# Altium PCB MCH_MAIN.PCBDOC (part 7 of 14)
Units mil, origin at the board's own origin, x right, y up, seen from the top; angles counter-clockwise.
Board outline 7110.66 x 2894.12 mil, 6 copper layers (Top Layer, Power, MidLayer1, MidLayer4, GND, Bottom Layer), stack 61.549 mil thick; 630 components, 1085 nets, 3940 pads, 2676 vias.
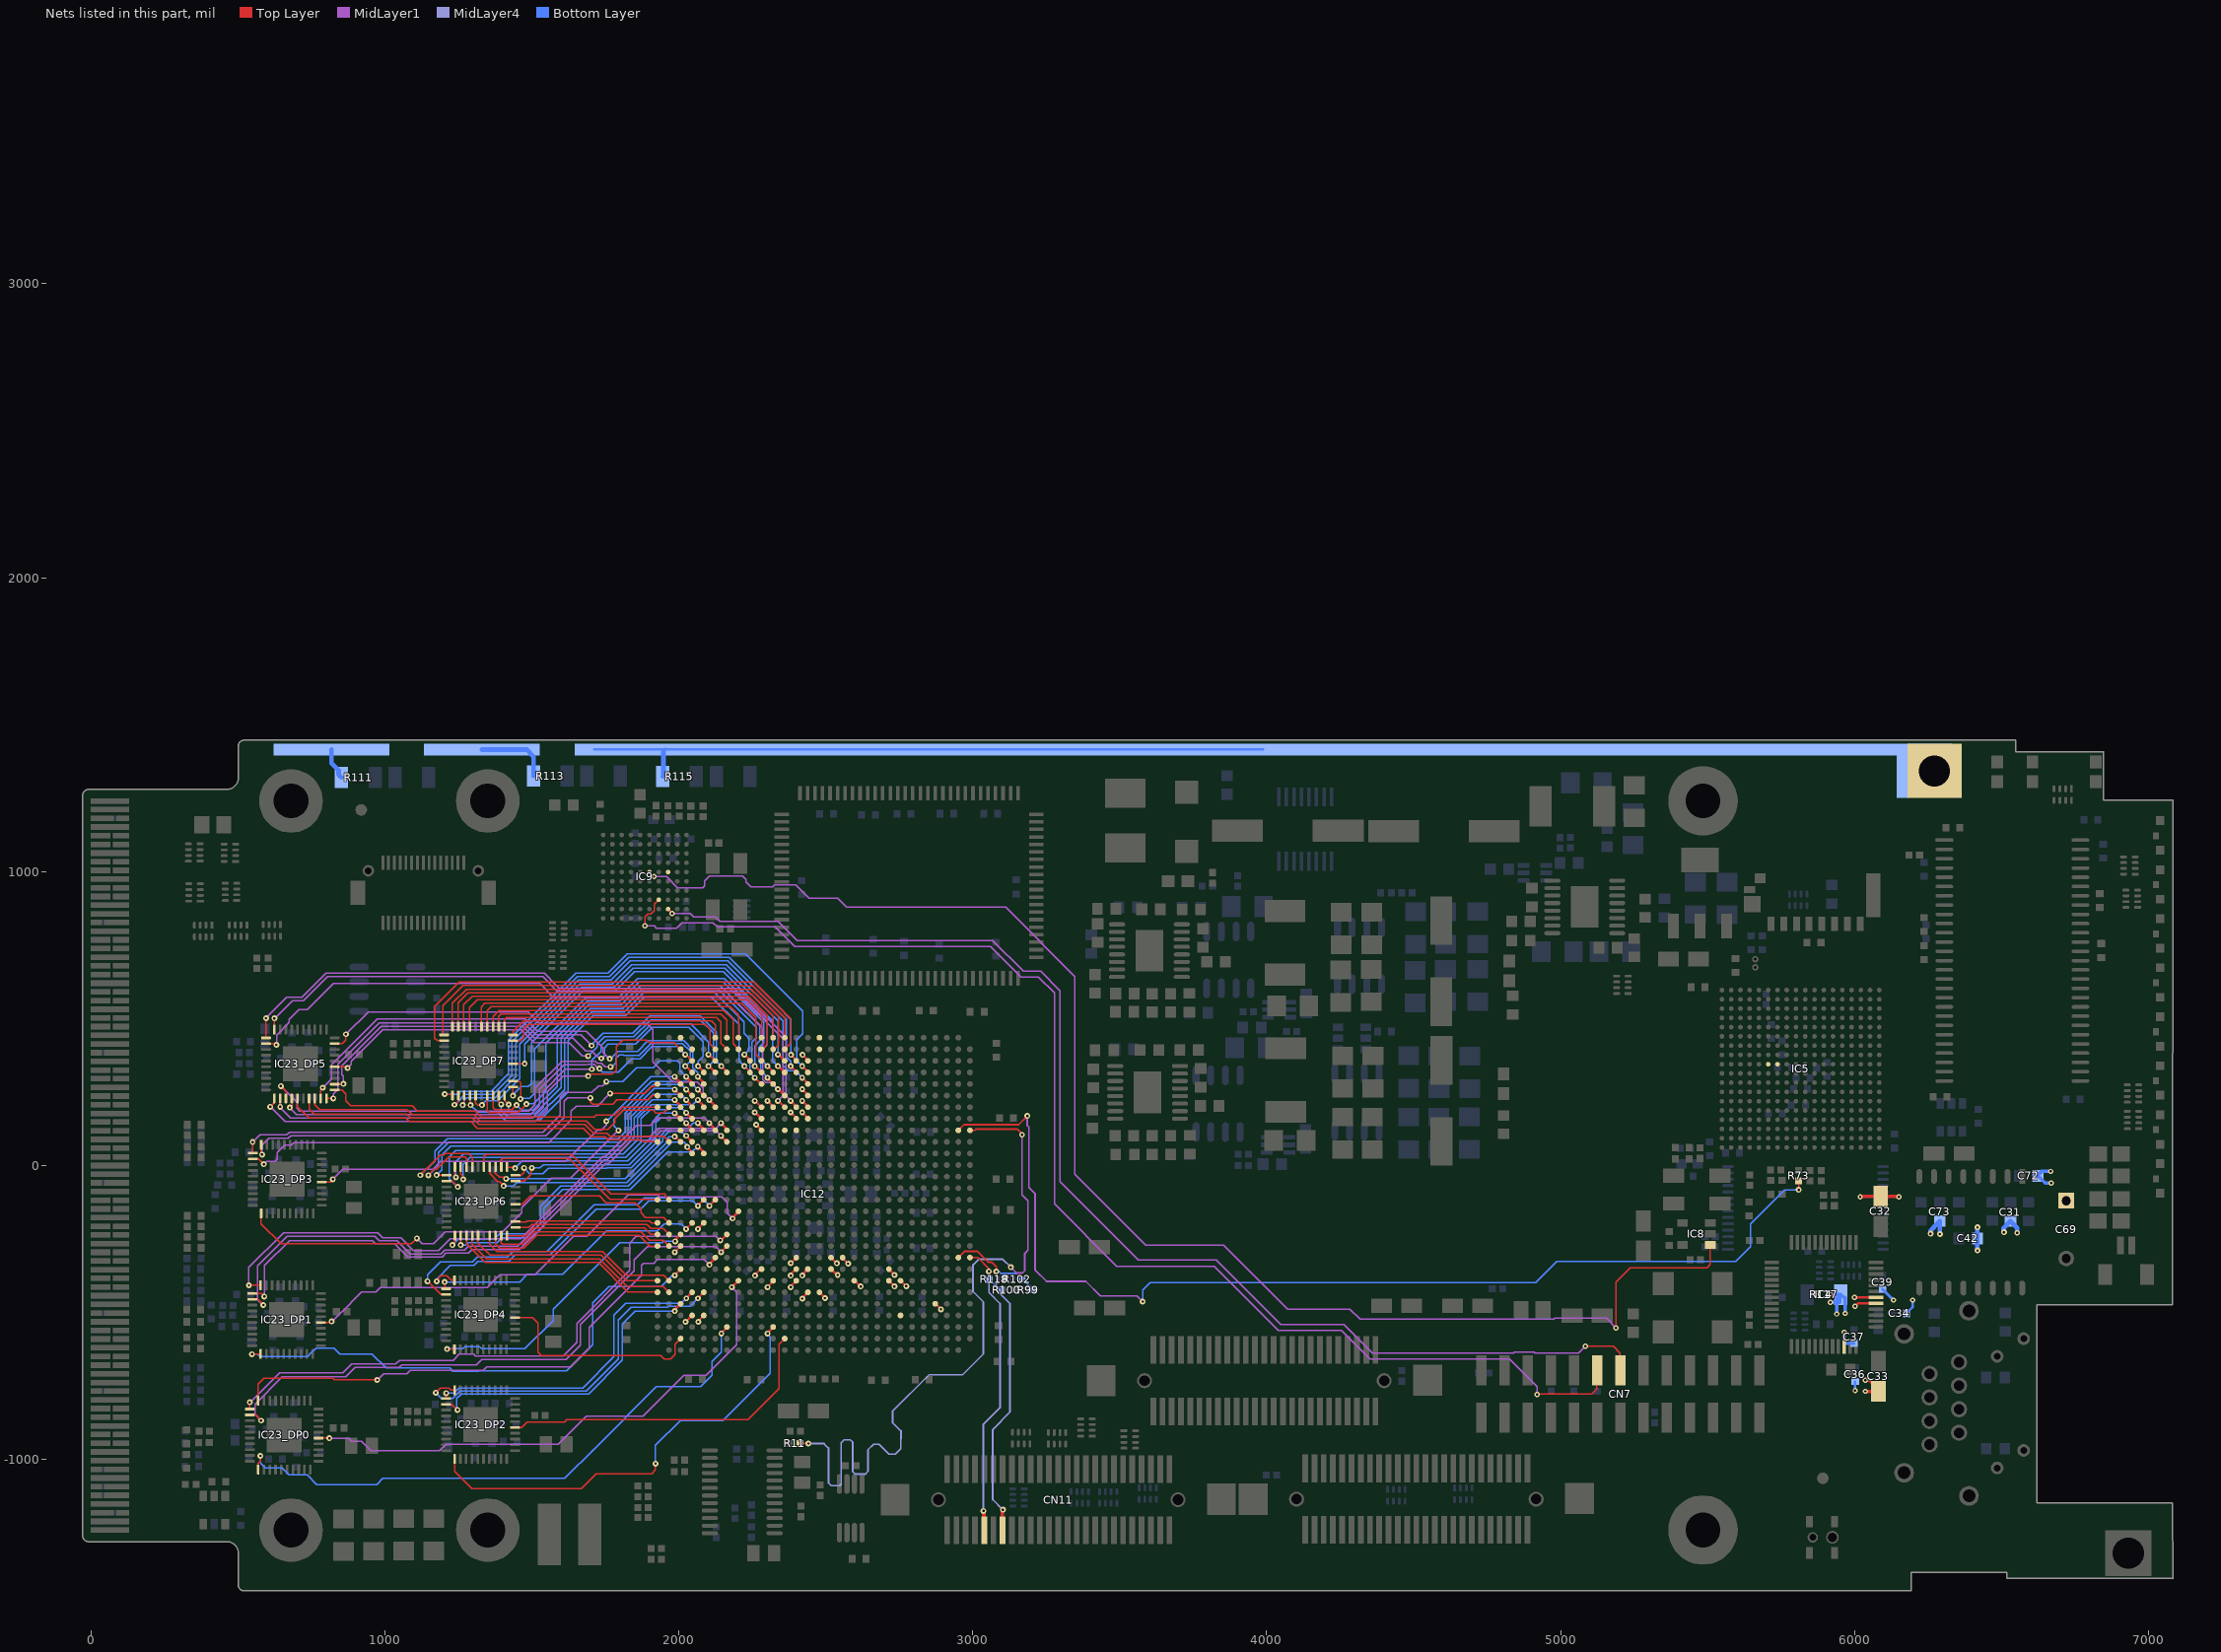
[diagram p11: the nets of this part, all layers, seen from the top]

## Via types
v1: diameter 20, hole 8, Top Layer to Bottom Layer, tented both sides, 1658 vias
v2: diameter 18, hole 8, Top Layer to Bottom Layer, tented both sides, 580 vias
v3: diameter 24, hole 10, Top Layer to Bottom Layer, tented both sides, 438 vias

## Nets (pads, with @x,y where several pads share a name; then routed paths per layer and width w, separated by ;. In a path a pad name is that pad's centre, name@x,y a point inside that pad or via, vN(x,y) a via of type N, cw(c..) or ccw(c..) an arc to the next point about the centre after c; other vN are vias at no path point) (continued)
DP5_RD9: IC12.G6 IC23_DP5.19 | length 1564.3
  Top Layer w5: IC23_DP5.19@830.39,414.47 855.64,414.47 868.07,426.9 v1@868.07,440.5
  Top Layer w8: v1(2104.05,223.14) 2124.39,202.8 IC12.G6@2124.39,198.58
  MidLayer1 w5: v1(867.67,446.7) 943.67,522.7 1347.6,522.7 ; 1339.2,522.7 1347.6,522.7 ; v1@2103.6,224 2082.8,244.8 2082.8,263.79 2062.52,284.07 1980.42,284.07 1911.1,353.39 1911.1,463 1890.7,483.4 1556.4,483.4 1546.9,483.4 1526.84,483.4 1487.54,522.7 1347.6,522.7
DP5_TD0: IC12.C6 IC23_DP5.2 | length 1798.1
  Top Layer w5: v1(644.37,200.01) IC23_DP5.2@644.37,228.45
  Top Layer w8: v1(2101.1,377.67) 2102.79,377.67 IC12.C6@2124.39,356.06
  MidLayer1 w5: v1(644.37,200.01) 644.37,196.13 678.8,161.7 1502.2,161.7 1539.2,198.7 1539.2,252.9 1613.86,327.56 v1(1704.5,327.56)
  Bottom Layer w5: v1@1702.94,327.56 v1(1704.5,327.56) 1704.5,356.95 1735.1,387.55 1735.1,407.5 1754.04,426.44 1844.9,426.44 1851.54,426.44 1906.2,481.1 2040.6,481.1 2101.1,420.6 v1(2101.1,377.67)
DP5_TD1: IC12.D4 IC23_DP5.3 | length 1743.3
  Top Layer w5: v1(646.07,270.1) 664.05,252.12 IC23_DP5.3@664.05,228.45
  Top Layer w8: v1(2022.36,338.3) 2024.05,338.3 IC12.D4@2045.65,316.69
  MidLayer1 w5: v1(646.07,270.1) 701.4,214.77 701.4,194.3 710,185.7 1489.8,185.7 1511.8,207.7 1511.8,263.3 1603.6,355.1 1715.85,355.1 1723.95,347 1737.85,347 1748.95,335.9 v1(1768.2,335.9)
  Bottom Layer w5: v1@1769.4,332.1 1786.1,348.8 1786.1,363.98 1797.52,375.4 1813.68,375.4 1813.78,375.3 1864.3,375.3 1904.6,415.6 2001.8,415.6 2013.3,415.6 2038.86,390.04 2038.86,354.8 v1(2022.36,338.3)
DP5_TD2: IC12.C4 IC23_DP5.4 | length 1588.6
  Top Layer w5: v1(676.87,196.9) 683.74,203.76 IC23_DP5.4@683.74,228.45
  Top Layer w8: v1(2022.36,377.67) 2024.05,377.67 IC12.C4@2045.65,356.06
  MidLayer1 w5: v1(676.87,196.9) 677,196.9 700.2,173.7 1495.8,173.7 1525.8,203.7 1525.8,258.5 1609.4,342.1 1687.6,342.1 1690.56,345.06 1711.75,345.06 1727.3,329.5 v1(1730.6,329.5)
  Bottom Layer w5: v1@1726,330.9 1740.1,316.8 1794.08,316.8 1840.58,363.3 1868.7,363.3 1909.3,403.9 1996.13,403.9 v1(2022.36,377.67)
DP5_TD3: IC12.K1 IC23_DP5.5 | length 1448.4
  Top Layer w5: IC23_DP5.5@703.4,228.43 703.4,200.7 742.8,161.3 1071.06,161.3 1083.06,149.3 1292.94,149.3 ; 1146.2,149.3 1292.94,149.3 ; IC12.K1@1927.51,80.5 1878.11,80.5 1870.51,88.1 1759.2,88.1 1749.2,98.1 1704,98.1 1675,127.1 1315.14,127.1 1292.94,149.3
DP5_TD4: IC12.K2 IC23_DP5.7 | length 1332.7
  Top Layer w5: 742.79,203.22 742.79,228.45 742.6,228.26 742.6,192.3 759.2,175.7 1073.63,175.7 1088.03,161.3 1297.91,161.3 1319.31,139.9 1680.8,139.9 1710.4,110.3 1756,110.3 1766.09,100.21 1948.29,100.21 1955.2,93.3 1955.2,92.18 IC12.K2@1966.91,80.47
DP5_TD5: IC12.G2 IC23_DP5.8 | length 1318.9
  Top Layer w5: IC23_DP5.8@762.48,228.45 762.48,206.5 778.48,190.5 1075.8,190.5 1093,173.3 1108.4,173.3 ; 1096,173.3 1108.4,173.3 ; 1921.3,179.2 1912.77,187.73 1810.8,187.73 1782.5,159.43 1782.5,146.9 1758.8,123.2 1714.7,123.2 1685.6,152.3 1323.88,152.3 1302.88,173.3 1108.4,173.3 ; 1921.4,179.1 1947.43,179.1 IC12.G2@1966.91,198.58
DP5_TD6: IC12.E5 IC23_DP5.9 | length 1659.8
  Top Layer w6: IC23_DP5.9@782.16,228.45 782.16,257.86 v1(788.99,264.69)
  Top Layer w8: v1(2064.68,301.88) 2085.02,281.54 IC12.E5@2085.02,277.32
  MidLayer1 w5: v1(788.99,264.69) 818.8,294.5 818.8,342.33 974.37,497.9 1478.4,497.9 1519,457.3 1673,457.3 ; 1670.4,457.3 1673,457.3 ; v1(1765.2,362.9) 1743.2,384.9 1743.2,399.9 1685.8,457.3 1673,457.3
  Bottom Layer w5: v1(1765.2,362.9) 1768.4,366.1 1771.05,366.1 1793.35,388.4 1855.3,388.4 1859.6,388.4 1895.8,424.6 2017.1,424.6 2048.4,393.3 2048.4,351.61 ; 2048,351.21 2048,332.63 2064.68,315.95 v1(2064.68,301.88)
DP5_TD7: IC12.D7 IC23_DP5.10 | length 1758.8
  Top Layer w6: IC23_DP5.10@801.85,228.45 824.73,228.45 v1(824.87,228.3)
  Top Layer w8: v1(2144.41,338.3) IC12.D7@2163.77,318.94 ; IC12.D7@2163.77,318.94 IC12.D7@2163.77,316.69 IC12.D7@2163.77,318.94
  MidLayer1 w5: v1(824.87,228.3) 824.87,243.87 839.97,258.97 839.97,344.49 981.38,485.9 999.4,485.9 ; 995.17,485.9 999.4,485.9 ; v1(1703.6,408.1) 1666.4,445.3 1514.03,445.3 1473.43,485.9 999.4,485.9
  Bottom Layer w5: v1@1703.6,404.7 1703.6,403.1 1704.2,403.7 1704.2,412.22 1717.64,425.66 ; 1715.78,423.8 1717.64,425.66 ; v1(2144.41,338.3) 2127.91,354.8 2127.91,453.85 2072.66,509.1 1902.3,509.1 1843.64,450.44 1760.1,450.44 1742.42,450.44 1717.64,425.66
DP5_TD8: IC12.G1 IC23_DP5.11 | length 1172
  Top Layer w5: IC23_DP5.11@830.39,256.99 853.38,256.99 866.87,243.5 866.87,227.7 ; 866.87,222.3 866.87,227.7 ; 866.87,223.72 866.87,227.7 ; IC12.G1@1927.54,198.58 1927.46,198.5 1807.42,198.5 1780.71,171.79 1718.89,171.79 1712.2,165.1 1328.05,165.1 1307.85,185.3 1146,185.3 1110.7,185.3 1093,203 884.3,203 866.87,220.43 866.87,227.7
DP5_TD9: IC12.D5 IC23_DP5.12 | length 1641.4
  Top Layer w6: IC23_DP5.12@830.39,276.67 v1@859.47,276.67
  Top Layer w8: v1(2065.67,338.3) 2085.02,318.94 IC12.D5@2085.02,316.69
  MidLayer1 w5: v1(859.47,277.9) 858.6,278.77 858.6,303.9 853.37,309.13 853.37,339.1 988.17,473.9 1468.46,473.9 1509.66,432.7 1640.9,432.7 1683.4,390.2 1704.7,390.2 v1@1736.8,358.1 ; v1@1734.8,360.1 v1@1736.8,358.1 ; v1(1736.8,364.5) v1@1736.8,358.1
  Bottom Layer w5: v1@1736.8,358.1 v1@1736.8,362.08 ; v1(1736.8,364.5) v1@1736.8,362.08 ; v1(2065.67,338.3) 2065.67,354.33 2082.17,370.83 2082.17,406.67 ; 2082.26,406.76 2082.26,421.53 2034.09,469.7 1910,469.7 1852.7,412.4 1759.53,412.4 1747.4,400.27 1747.4,372.68 v1@1736.8,362.08
DP6_RD0: IC12.H4 IC23_DP6.29 | length 1019.3
  Top Layer w5: IC23_DP6.29@1258.03,-5.56 1258.03,-28.31 1266.89,-37.17 v1(1266.89,-47.01) ; IC12.H4@2045.65,159.21 IC12.H4@2045.65,159.49
  Top Layer w8: v1(2025.31,179.83) 2025.31,179.55 IC12.H4@2045.65,159.21
  Bottom Layer w5: v1(1266.89,-47.01) 1266.89,4.59 1289.2,26.9 1820.4,26.9 1872.2,78.7 1872.2,160.03 1903.07,190.9 1963.2,190.9 1969.8,197.5 2007.65,197.5 v1(2025.31,179.83)
DP6_RD1: IC12.F3 IC23_DP6.28 | length 1246.5
  Top Layer w5: v1(1148.2,-33.3) 1148.2,-32.92 1167.92,-13.2 1176.1,-13.2 1218,28.7 1267.2,28.7 ; 1261.4,28.7 1267.2,28.7 ; IC23_DP6.28@1277.78,-5.5 1277.78,23.92 1273,28.7 1267.2,28.7
  Top Layer w8: v1(1985.94,258.57) 2006.28,238.23 IC12.F3@2006.28,237.95
  Bottom Layer w5: v1(1148.2,-33.3) 1182.2,0.7 1182.2,10.7 1182.2,43.9 1217.73,79.43 1799.87,79.43 1827.5,107.05 1827.5,156.09 1827.2,156.39 1827.2,171.6 1917.3,261.7 1982.82,261.7 v1(1985.94,258.57)
DP6_RD2: IC12.F4 IC23_DP6.27 | length 1370.2
  Top Layer w5: v1@1121.4,-33.1 1121.4,-31.7 1189.6,36.5 1200.6,36.5 1204.4,40.3 1284.2,40.3 1297.46,27.04 IC23_DP6.27@1297.46,-5.5
  Top Layer w8: v1(2025.31,258.57) 2045.65,238.23 IC12.F4@2045.65,237.95
  Bottom Layer w5: v1(1120.8,-32.9) 1170.2,16.5 1170.2,48.87 1213.14,91.81 1795.29,91.81 1817.5,114.02 1817.5,151.95 1817.2,152.25 1817.2,178.57 1913.53,274.9 1954,274.9 ; 1954.17,275.07 2008.81,275.07 v1(2025.31,258.57)
DP6_RD3: IC12.R2 IC23_DP6.25 | length 734.5
  Top Layer w5: IC23_DP6.25@1336.83,-5.5 1337.6,-4.73 1337.6,31.3 1343.2,36.9 1635.6,36.9 1769.54,-97.04 1951.34,-97.04 1954.8,-100.5 1954.8,-104.27 IC12.R2@1966.91,-116.38
DP6_RD4: IC12.K3 IC23_DP6.24 | length 774.3
  Top Layer w5: IC23_DP6.24@1356.88,-4.79 1356.88,-26.98 1383.97,-54.07 1389.98,-54.07 v1@1404,-68.09
  Top Layer w8: v1(1985.98,97.99) 1988.76,97.99 IC12.K3@2006.28,80.47
  MidLayer1 w5: v1(1404,-69.7) v1@1404.8,-68.9
  Bottom Layer w5: v1(1404,-69.7) 1404.4,-69.3 1437.4,-69.3 1449,-57.7 1823.47,-57.7 1958.71,77.54 1958.71,90.1 1966.6,97.99 v1(1985.98,97.99) v1@1985.67,98.3
DP6_RD5: IC12.K4 IC23_DP6.23 | length 781.3
  Top Layer w5: IC23_DP6.23@1376.2,-5.5 1376.2,-26.1 1389.8,-39.7 v1@1408.6,-39.7
  Top Layer w8: v1(2025.3,101.2) 2025.3,101.11 2045.65,80.75 IC12.K4@2045.65,80.47
  Bottom Layer w5: v1(1412.38,-44.7) 1412.98,-44.1 1755.82,-44.1 1755.92,-44.2 1818.67,-44.2 1945.2,82.33 1945.2,94.43 1967.67,116.9 2009.51,116.9 2025.21,101.2 v1(2025.3,101.2)
DP6_RD6: IC12.R1 IC23_DP6.22 | length 616.8
  Top Layer w5: IC23_DP6.22@1395.89,-5.5 1396,-5.39 1396,19.73 1400.37,24.1 1627,24.1 1766.2,-115.1 1926.26,-115.1 IC12.R1@1927.54,-116.38
DP6_RD7: IC12.H3 IC23_DP6.21 | length 705.5
  Top Layer w5: IC23_DP6.21@1415.57,-5.5 1440.8,-5.5 1441.6,-4.7 v1@1442.8,-4.7
  Top Layer w8: v1(1985.98,178.03) 1987.46,178.03 IC12.H3@2006.28,159.21
  Bottom Layer w5: v1(1443.2,-8.9) 1467.4,15.3 1825.6,15.3 1909.6,99.3 1909.6,148.3 1939.33,178.03 1955.9,178.03 v1(1985.98,178.03) v1@1985.31,178.7
DP6_RD8: IC12.J5 IC23_DP6.20 | length 764
  Top Layer w5: IC23_DP6.20@1444.12,-34.04 1462.26,-34.04 1473.6,-22.7 v1@1473.6,-2.7
  Top Layer w8: v1(2064.68,144.4) 2085.02,124.06 IC12.J5@2085.02,119.84
  Bottom Layer w5: v1(1474,-8.3) 1493.4,-27.7 1537.6,-27.7 1556,-9.3 1754.65,-9.3 1756.75,-7.2 1771.25,-7.2 1772.55,-8.5 1837.4,-8.5 1934.8,88.9 1934.8,98.7 1962.59,126.49 2032.09,126.49 2050,144.4 v1(2064.68,144.4)
DP6_RD9: IC12.J4 IC23_DP6.19 | length 762.6
  Top Layer w5: IC23_DP6.19@1444.12,-53.73 1444.74,-53.1 1474,-53.1 1498,-29.1 1498,-8.5 v1@1499,-7.5
  Top Layer w8: v1(2025.31,144.4) 2045.65,124.06 IC12.J4@2045.65,119.84
  Bottom Layer w5: v1(1500.2,-7.9) 1524.4,-7.9 ; 1516.5,-7.9 1524.4,-7.9 ; 2010.11,159.6 2012.06,157.66 ; v1(2025.31,144.4) 2012.06,157.66 ; 1524.4,-7.9 1528.2,-7.9 1539.2,3.1 1832,3.1 1922,93.1 1922,145.8 1937.3,161.1 2008.61,161.1 2012.06,157.66
DP6_TD0: IC12.L5 IC23_DP6.2 | length 1043.4
  Top Layer w5: v1(1258.09,-270.79) IC23_DP6.2@1258.09,-239.75
  Top Layer w8: v1@2065.42,64.92 2085.02,45.32 IC12.L5@2085.02,41.1
  Bottom Layer w5: v1(1258.09,-270.79) 1274.31,-270.79 1283,-262.1 1381.5,-262.1 1398,-245.6 1501.59,-245.6 1540.8,-206.39 1540.8,-145.3 1604.4,-81.7 1834.2,-81.7 1962.08,46.18 2045.2,46.18 v1@2063.76,64.74
  other v1: 2064.5,64
DP6_TD1: IC12.AC1 IC23_DP6.3 | length 744.9
  Top Layer w5: IC23_DP6.3@1277.78,-239.75 1277.6,-239.93 1277.6,-266.3 1341.6,-330.3 1437.79,-330.3 1440.6,-330.3 1726.85,-330.3 1827.05,-430.5 1926.7,-430.5 IC12.AC1@1927.54,-431.34
DP6_TD2: IC12.AC2 IC23_DP6.4 | length 766.5
  Top Layer w5: IC23_DP6.4@1297.46,-239.75 1296.8,-240.42 1296.8,-268.3 1346.4,-317.9 1442.36,-317.9 1731.42,-317.9 1825.52,-412 1947.57,-412 IC12.AC2@1966.91,-431.34
DP6_TD3: IC12.AB1 IC23_DP6.5 | length 688
  Top Layer w5: IC23_DP6.5@1317.15,-239.75 1317.2,-239.81 1317.2,-264.7 1357.8,-305.3 1735.79,-305.3 1822.46,-391.97 1903.73,-391.97 IC12.AB1@1927.54,-391.97
DP6_TD4: IC12.AB2 IC23_DP6.7 | length 701.5
  Top Layer w5: IC23_DP6.7@1356.52,-239.75 1356.52,-267.82 1382,-293.3 1740.76,-293.3 1821.16,-373.7 1918.37,-373.7 ; 1906.8,-373.7 1918.37,-373.7 ; IC12.AB2@1966.91,-391.97 1948.64,-373.7 1918.37,-373.7
DP6_TD5: IC12.W1 IC23_DP6.8 | length 617.2
  Top Layer w5: IC23_DP6.8@1376.2,-239.75 1376.4,-239.95 1376.4,-267.1 1389.63,-280.33 1473.17,-280.33 1516.4,-237.1 1864.6,-237.1 1901.36,-273.86 IC12.W1@1927.54,-273.86
DP6_TD6: IC12.W2 IC23_DP6.9 | length 634.6
  Top Layer w5: IC23_DP6.9@1395.89,-247.64 1395.89,-262.99 1401.23,-268.33 1466.97,-268.33 1510.2,-225.1 1871,-225.1 1900.4,-254.5 1947.55,-254.5 IC12.W2@1966.91,-273.86
  Top Layer w8: IC23_DP6.9@1395.89,-247.64 IC23_DP6.9@1395.89,-239.75
DP6_TD7: IC12.V1 IC23_DP6.10 | length 532.2
  Top Layer w5: IC23_DP6.10@1415.57,-239.75 1478.58,-239.75 1505.63,-212.7 1882.62,-212.7 1904.41,-234.49 IC12.V1@1927.54,-234.49
DP6_TD8: IC12.V2 IC23_DP6.11 | length 541.1
  Top Layer w5: IC23_DP6.11@1444.12,-211.21 1490.15,-211.21 1500.66,-200.7 1891.8,-200.7 1905.6,-214.5 1946.92,-214.5 IC12.V2@1966.91,-234.49
DP6_TD9: IC12.U1 IC23_DP6.12 | length 487.3
  Top Layer w5: IC23_DP6.12@1444.12,-191.53 1481.17,-191.53 1484,-188.7 1495.8,-188.7 1900,-188.7 1906.42,-195.12 IC12.U1@1927.54,-195.12
DP7_RD0: IC12.A11 IC23_DP7.29 | length 1296.3
  Top Layer w5: IC23_DP7.29@1249.2,473.2 1249.2,554.3 1282.8,587.9 1550,587.9 ; 1546.49,587.9 1550,587.9 ; 2225.4,587.5 2217.6,587.5 ; IC12.A11@2321.25,434.8 2321.6,435.16 2321.6,462.9 ; 2321.6,451.7 2321.6,462.9 ; 1550,587.9 2207.28,587.9 2207.68,587.5 2217.6,587.5 ; 2217.6,587.5 2241.94,587.5 2321.6,507.84 2321.6,462.9
DP7_RD1: IC12.B10 IC23_DP7.28 | length 1272.4
  Top Layer w5: IC23_DP7.28@1268.8,473.29 1268.8,500.7 ; 1268.8,498.67 1268.8,500.7 ; IC12.B10@2281.88,395.43 2284.33,395.43 2301.6,412.7 2301.6,510.87 2236.57,575.9 1856.88,575.9 1297.8,575.9 1268.8,546.9 1268.8,500.7
DP7_RD2: IC12.A10 IC23_DP7.27 | length 1176
  Top Layer w5: IC23_DP7.27@1288.2,473.57 1288.2,499.7 ; 1288.2,495.9 1288.2,499.7 ; 2225.4,563.5 2221.2,563.5 ; IC12.A10@2281.88,434.8 2281.8,434.88 2281.8,513.7 2232,563.5 2221.2,563.5 ; 1288.2,499.7 1288.2,537.1 1315,563.9 2197.34,563.9 2197.74,563.5 2221.2,563.5
DP7_RD3: IC12.C10 IC23_DP7.25 | length 1186.3
  Top Layer w5: IC23_DP7.25@1327.8,473.34 1327.8,503.5 ; 1327.8,498.67 1327.8,503.5 ; IC12.C10@2281.88,356.06 2281.88,358.62 2262,378.5 2262,504.1 2228.1,538 2214.2,551.9 2192.37,551.9 1340.4,551.9 1327.8,539.3 1327.8,503.5
DP7_RD4: IC12.A8 IC23_DP7.24 | length 1012.8
  Top Layer w5: IC23_DP7.24@1348.39,472.44 1348.39,526.29 1362,539.9 1578,539.9 ; 1573.47,539.9 1578,539.9 ; IC12.A8@2203.14,434.8 2203.4,435.07 2203.4,457.1 ; 2203.4,452.14 2203.4,457.1 ; 1578,539.9 1871.79,539.9 2175.4,539.9 2203.4,511.9 2203.4,457.1
DP7_RD5: IC12.B8 IC23_DP7.23 | length 982.2
  Top Layer w5: IC23_DP7.23@1368.08,472.44 1368.08,507.38 1388.6,527.9 2120,527.9 2154,527.9 2184.6,497.3 2184.6,413.97 IC12.B8@2203.14,395.43
DP7_RD6: IC12.A7 IC23_DP7.22 | length 884.3
  Top Layer w5: IC23_DP7.22@1386.8,473.4 1386.8,507.5 1395.2,515.9 2112,515.9 2144,515.9 2164,495.9 2164,435.04 IC12.A7@2163.77,434.8
DP7_RD7: IC12.B7 IC23_DP7.21 | length 879.3
  Top Layer w5: IC23_DP7.21@1407.45,472.44 1407.45,497.12 1414.23,503.9 1594.2,503.9 ; 1591.57,503.9 1594.2,503.9 ; 2151.25,407.45 2147.6,411.1 ; IC12.B7@2163.77,395.43 2148.1,411.1 2147.6,411.1 ; 1594.2,503.9 1886.7,503.9 2127.8,503.9 2143.8,487.9 2143.8,414.9 2147.6,411.1
DP7_RD8: IC12.A6 IC23_DP7.20 | length 766.5
  Top Layer w5: IC23_DP7.20@1435.99,443.89 1435.99,455.49 1472.4,491.9 2111.8,491.9 2124.8,478.9 2124.8,455.3 ; IC12.A6@2124.39,434.8 2124.8,435.21 2124.8,455.3 ; 2124.8,453.9 2124.8,455.3
DP7_RD9: IC12.B6 IC23_DP7.19 | length 793
  Top Layer w5: IC23_DP7.19@1435.99,424.21 1460.53,424.21 1472.6,436.28 1472.6,465.5 1487,479.9 2089.6,479.9 2105.6,463.9 2105.6,413.7 2111,408.3 2111.53,408.3 IC12.B6@2124.39,395.43
DP7_TD0: IC12.C13 IC23_DP7.2 | length 1676.7
  Top Layer w5: v1@1244.17,211.9 1249.97,217.7 IC23_DP7.2@1249.97,238.19
  Top Layer w8: v1(2382.03,376.41) 2399.99,358.46 IC12.C13@2399.99,356.06
  Bottom Layer w5: v1@1244,211.9 1273.6,241.5 1369.4,241.5 1432.98,305.08 1432.98,307.9 ; 1432.98,307 1432.98,307.9 ; v1(2382.03,376.41) 2382.03,497.5 2336.01,543.51 2171.83,707.7 1829.82,707.7 1764.56,642.44 1672.4,642.44 1654.58,642.44 1432.98,420.83 1432.98,307.9
  other v1: 1237,206.9
DP7_TD1: IC12.D13 IC23_DP7.3 | length 1688.5
  Top Layer w5: v1(1264.8,205.7) 1269.65,210.55 IC23_DP7.3@1269.65,238.19
  Top Layer w8: v1(2380.63,338.3) 2399.99,318.94 IC12.D13@2399.99,316.69
  Bottom Layer w5: v1@1269.65,207.15 1269.65,221.7 1278.65,230.7 1375.2,230.7 1446.2,301.7 1446.2,417.09 1469.61,440.49 ; 1467.7,438.59 1469.61,440.49 ; v1(2380.63,338.3) 2380.63,354.48 2365.53,369.58 2365.53,497.03 2166.86,695.7 1834.79,695.7 1769.53,630.44 1659.55,630.44 1631.31,602.2 1629.56,600.44 1469.61,440.49
DP7_TD2: IC12.D9 IC23_DP7.4 | length 1463.3
  Top Layer w5: IC23_DP7.4@1289.34,238.19 1289.34,211.16 v1@1293.2,207.3 ; v1(2223.15,338.3) 2242.51,318.94 IC12.D9@2242.51,316.69
  Bottom Layer w5: v1(1291.6,205.3) 1315.9,181 1383.3,181 1412.49,151.81 1524.51,151.81 1623.5,250.8 1623.5,424.68 1709.26,510.44 1819.23,510.44 1883.49,574.7 2110.6,574.7 2205.5,479.8 2205.5,355.95 v1(2223.15,338.3)
DP7_TD3: IC12.E14 IC23_DP7.5 | length 1684.6
  Top Layer w5: IC23_DP7.5@1309.02,238.19 1309.02,213.08 1316.6,205.5 v1(1330.4,205.5)
  Top Layer w8: v1(2420,298.93) 2439.36,279.57 IC12.E14@2439.36,277.32
  Bottom Layer w5: v1@1329.5,209 1328.6,208.1 1330.4,208.1 1342.8,220.5 1383.4,220.5 1458.4,295.5 1458.4,412.32 1664.52,618.44 1672.83,618.44 1675.7,618.44 1774.5,618.44 1839.76,683.7 2161.89,683.7 2354.2,491.39 2354.2,341.39 2373.79,321.8 2397.13,321.8 v1(2420,298.93)
DP7_TD4: IC12.E11 IC23_DP7.7 | length 1592.7
  Top Layer w5: 1348.39,217.71 1348.39,238.19 1348.39,186.71 1355,180.1 1453,180.1 v1(1482,209.1) ; IC12.E11@2321.25,277.32 IC12.E11@2321.25,283.25
  Top Layer w8: v1@2301.89,296.68 IC12.E11@2321.25,277.32
  Bottom Layer w5: v1(1482,209.1) 1483.4,210.5 1506.2,210.5 1547.3,251.6 1547.3,416.36 1689.38,558.44 1697.68,558.44 1700.5,558.44 1799.35,558.44 1864.61,623.7 2151.9,623.7 2288.7,486.9 2288.7,418.4 2271.8,401.5 2271.8,354.7 2279.8,346.7 2279.8,321.02 v1(2301.89,298.93)
DP7_TD5: IC12.D10 IC23_DP7.8 | length 1473.9
  Top Layer w5: IC23_DP7.8@1368.08,238.19 1368.08,197.42 1375.4,190.1 1433,190.1 v1(1448.2,205.3)
  Top Layer w8: v1(2258.58,338.3) 2260.27,338.3 IC12.D10@2281.88,316.69
  Bottom Layer w5: v1(1448.2,205.3) 1465.6,187.9 1504.2,187.9 1585.8,269.5 1585.8,437.89 1694.35,546.44 1804.32,546.44 1869.58,611.7 2142,611.7 2276.2,477.5 2276.2,424.6 2258.58,406.98 v1(2258.58,338.3)
DP7_TD6: IC12.C9 IC23_DP7.9 | length 1368.8
  Top Layer w5: IC23_DP7.9@1387.76,238.19 1387.76,216.54 v1(1396,208.3)
  Top Layer w8: v1(2223.15,377.67) 2242.51,358.31 IC12.C9@2242.51,356.06
  MidLayer1 w5: v1@1388,207.5 1395.2,207.5 v1(1396,208.3)
  Bottom Layer w5: v1(1396,208.3) 1396,188.3 1419.8,164.5 1518,164.5 1611.5,258 1611.5,429.65 1704.29,522.44 1712.59,522.44 1714.1,522.44 1814.26,522.44 1879.52,587.7 2123.4,587.7 2222.5,488.6 2222.5,449.9 2239,433.4 2239,393.52 v1(2223.15,377.67)
DP7_TD7: IC12.E10 IC23_DP7.10 | length 1450.1
  Top Layer w5: IC23_DP7.10@1407.45,238.19 1407.45,222.65 1421.4,208.7 v1(1421.4,207.9)
  Top Layer w8: v1(2258.58,298.93) 2280.19,277.32 IC12.E10@2281.88,277.32
  Bottom Layer w5: v1(1421.4,207.9) 1421.4,188.9 1433,177.3 1511,177.3 1599.5,265.8 1599.5,434.62 1669.09,504.21 1671.08,506.2 1699.32,534.44 1809.29,534.44 1874.55,599.7 2135.4,599.7 2264.2,470.9 2264.2,435.7 2249,420.5 2249,360.02 2242.08,353.1 2242.08,315.43 v1(2258.58,298.93)
DP7_TD8: IC12.D12 IC23_DP7.11 | length 1434
  Top Layer w5: v1(1435.99,237.51) IC23_DP7.11@1435.99,266.73
  Top Layer w8: v1(2337.32,338.3) 2339.01,338.3 IC12.D12@2360.62,316.69
  Bottom Layer w5: v1(1435.99,237.51) 1435.99,240.69 1463.4,268.1 1487.55,268.1 1498.7,279.25 1498.7,418.68 1644.31,564.29 1646.22,566.2 1674.47,594.44 1686.5,594.44 1784.44,594.44 1849.7,659.7 2151.95,659.7 2319.6,492.05 2319.6,356.02 v1(2337.32,338.3)
DP7_TD9: IC12.D11 IC23_DP7.12 | length 1428.4
  Top Layer w5: IC23_DP7.12@1435.99,286.41 1457.89,286.41 1462.4,281.9 v1@1462.4,234.3
  Top Layer w8: v1(2301.89,338.3) 2321.25,318.94 IC12.D11@2321.25,316.69
  Bottom Layer w5: v1(1461.6,226.7) 1463.8,228.9 1493,228.9 1510.2,246.1 1510.2,396.23 1684.41,570.44 1794.38,570.44 1859.64,635.7 2155.7,635.7 2300.9,490.5 2300.9,410.8 2284.6,394.5 2284.6,355.59 v1(2301.89,338.3)
DP_ENABLE0: IC12.AF7 IC23_DP0.1 | length 1985.5
  Top Layer w5: IC23_DP0.1@569.61,-1034.35 569.61,-1013.09 577,-1005.7 v1(577,-987.7)
  Top Layer w8: v1@2145.97,-569.22 2161.8,-553.39 IC12.AF7@2161.8,-551.42
  Bottom Layer w5: v1@577.6,-987.7 v1(577,-987.7) 577,-1012.1 593.5,-1028.6 651,-1028.6 675.25,-1052.85 736.75,-1052.85 769,-1085.1 972.2,-1085.1 992.8,-1064.5 1611.8,-1064.5 1713.6,-962.7 ; 1706.1,-970.2 1713.6,-962.7 ; v1(2144.99,-571.18) 2144.99,-634.71 2113.8,-665.9 2113.8,-712.9 2101.3,-725.4 2099.4,-727.3 2073.8,-752.9 1923.4,-752.9 1713.6,-962.7
DP_ENABLE1: IC12.AA3 IC23_DP1.1 | length 1763
  Top Layer w5: v1(548.15,-641.75) IC23_DP1.1@577.41,-641.75
  Top Layer w8: v1@1986.03,-372.86 IC12.AA3@2004.32,-354.57
  Bottom Layer w5: v1(548.15,-641.75) 568,-641.75 575.35,-649.1 738.8,-649.1 748.9,-639 ; 746.15,-641.75 748.9,-639 ; v1(1986.52,-373.35) 1978.85,-373.35 1940.9,-411.3 1763.2,-411.3 1707.6,-466.9 1707.6,-609.3 1618.6,-698.3 1320.2,-698.3 1318.6,-699.9 1231.8,-699.9 1221,-689.1 1004.66,-689.1 956.92,-641.36 846.96,-641.36 827.1,-621.5 766.4,-621.5 748.9,-639